# Altium PCB ie-track-kit-arduino-1.PcbDoc (part 3 of 3) (continued)
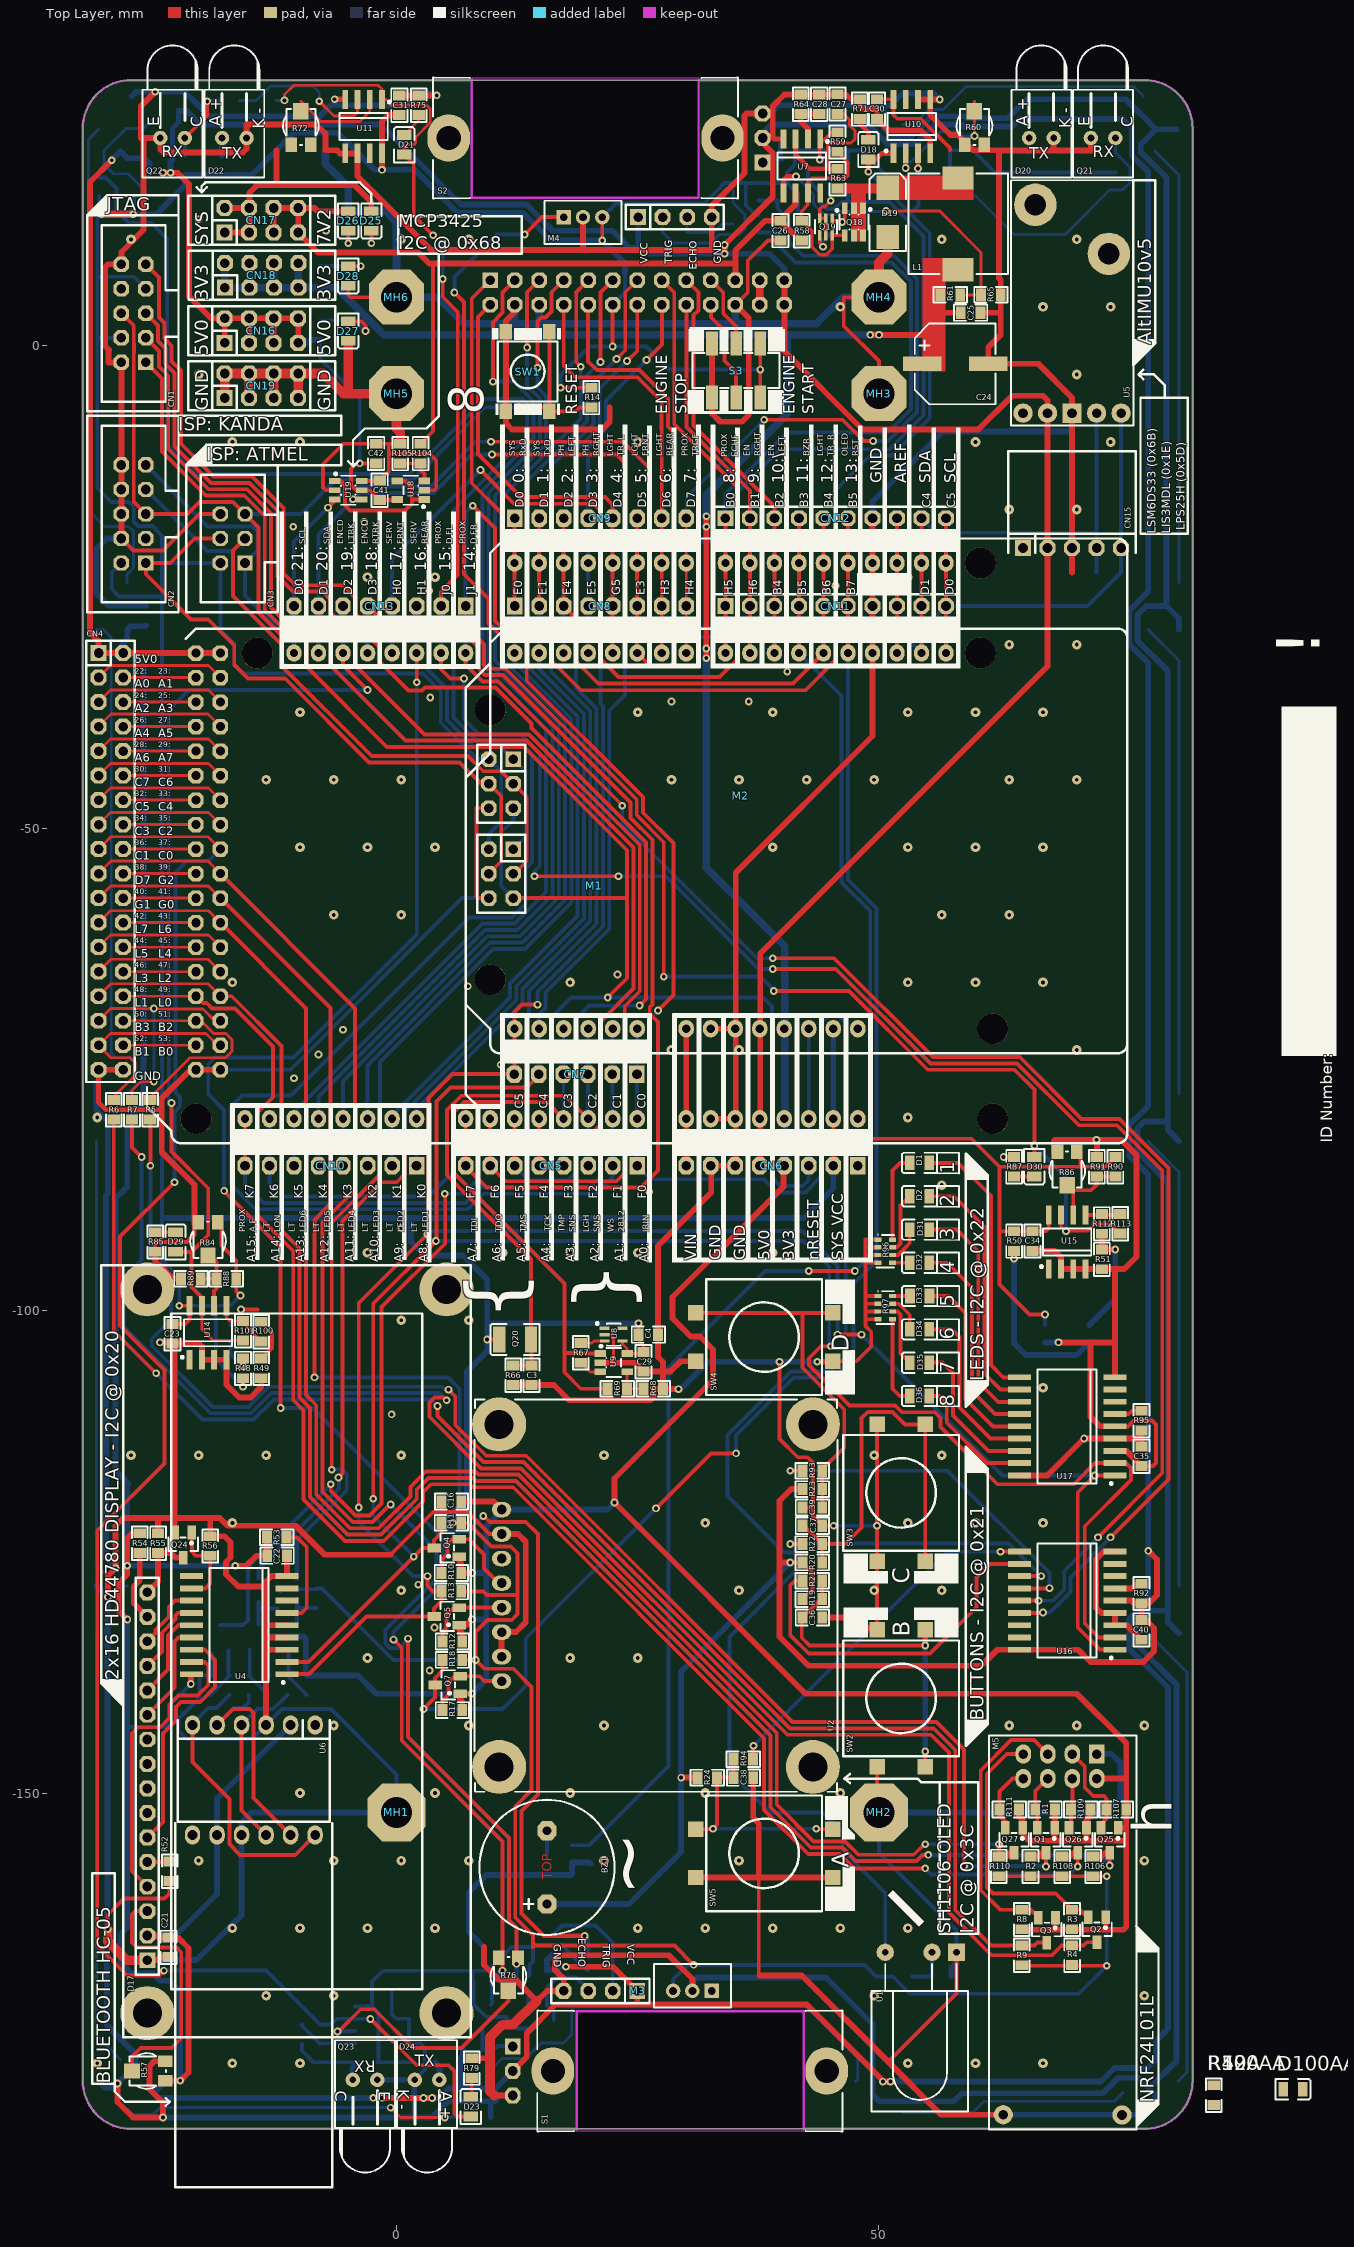
[diagram p0: Top Layer view]
## Nets (pads, with @x,y where several pads share a name; then routed paths per layer and width w, separated by ;. In a path a pad name is that pad's centre, name@x,y a point inside that pad or via, vN(x,y) a via of type N, cw(c..) or ccw(c..) an arc to the next point about the centre after c; other vN are vias at no path point) (continued)
PROX_REAR_A: Q23.2 R78.2 R114.1 | length 9
  Bottom Layer w0.4: R114.1@-9.8,-176.016 -9.8,-176.7 -8.6,-177.9 R78.2@-4.011,-177.9
  Bottom Layer w0.6: Q23.2@-4.519,-179.715 -4.519,-178.408 R78.2@-4.011,-177.9
RESET: CN1.6 CN2.5 CN3.5 CN6.3 M1.P3 M1.PROG5 M2.P3 M2.PROG5 Q10.3 R14.1 SW1.2 | length 333.5
  Top Layer w0.4: CN1.6@-28.5,3.33 -27.214,2.044 -27.214,0.188 -27.2,0.174 -27.2,-0.748 -27.214,-0.762 -27.214,-16.206 CN2.5@-25.96,-17.46 -21.66,-17.46 -20.4,-16.2 -16.955,-16.2 CN3.5@-15.695,-17.46 -14.3,-18.855 -14.3,-27.675 -12.075,-29.9 -10.129,-29.9 -9.329,-30.7 -9.329,-33.271 -1,-41.6 13.2,-41.6 23.9,-52.3 23.9,-57.27 ; v1(-6.8,-118) -6.8,-118.708 -4.254,-121.254 -2.808,-121.254 -1.546,-119.992 -1.546,-99.646 5.054,-93.046 5.054,-87.954 v1(5,-87.9) ; M1.PROG5@12.118,-57.27 23.9,-57.27 ; v1(12.7,-6.4) SW1.2@15.854,-6.4 ; SW1.2@15.85,1.425 15.854,1.421 SW1.2@15.854,-6.4 ; R14.1@20.2,-6.284 R14.1@20.2,-6.416 18.984,-6.416 18.575,-6.825 SW1.2@15.85,-6.825 15.854,-6.821 SW1.2@15.854,-6.4 ; v1(21.901,-67.563) 23.9,-65.563 23.9,-57.27
  Bottom Layer w0.4: Q10.3@-18.294,-132.6 -15.9,-132.6 -15.4,-132.1 -15.4,-126.6 v1(-6.8,-118) ; CN3.5@-15.695,-17.46 -9.86,-17.46 -6.354,-13.954 1.646,-13.954 9.2,-6.4 v1(12.7,-6.4) ; v1(5,-87.9) 6.94,-87.9 8.451,-86.389 8.451,-83.649 9.254,-82.846 14.904,-82.846 16.039,-81.711 16.039,-69.639 18.115,-67.563 v1(21.901,-67.563) 21.917,-67.546 37.977,-67.546 38.931,-68.5 38.931,-86.231 39.8,-87.1 42.1,-87.1 42.725,-86.475 CN6.3@42.725,-85 M1.P3@42.725,-80.13 M2.P3@42.725,-70.8 ; M1.PROG5@12.118,-57.27 10.864,-56.016 10.864,-50.444 12.118,-49.19 M2.PROG5@12.118,-47.94
RxD_HC05: R31.1 U6.3 | length 18.5
  Top Layer w0.4: U6.3@-16.051,-142.941 -16.051,-151.801 U6.3@-13.511,-154.341
  Bottom Layer w0.4: U6.3@-16.051,-142.941 -14.41,-141.3 -12.775,-141.3 R31.1@-11.3,-139.825
SCK_3V3: M5.5 Q3.2 R8.1 | length 28.4
  Top Layer w0.4: Q3.2@66.5,-162.9 65.684,-162.084 R8.1@64.8,-162.084 62.559,-162.084 60.546,-160.071 60.546,-147.654 63.694,-144.506 66.046,-144.506 M5.5@67.5,-145.96
SCK_5V: Q3.3 R6.2 R9.1 | length 157.1
  Top Layer w0.4: R6.2@-29.3,-80.216 -29.3,-102.1 v1(-24.9,-106.5) ; v1(4.262,-109.9) 4.262,-110.929 9.031,-115.698 13.184,-115.698 40.786,-143.3 55.675,-143.3 57.9,-145.525 57.9,-162.1 61.6,-165.8 R9.1@64.8,-165.8 66.1,-165.8 66.4,-165.5 Q3.3@67.4,-165.5
  Bottom Layer w0.4: v1(-24.9,-106.5) -20.1,-111.3 -14.8,-111.3 -12.7,-109.2 3.562,-109.2 v1(4.262,-109.9)
SCL_3V3: Q5.2 R12.1 U2.5 | length 9
  Top Layer w0.4: R12.1@4.784,-134.3 4.784,-133.316 5.2,-132.9 5.2,-131.5 5.9,-130.8 Q5.2@6.5,-130.8 6.52,-130.78 U2.5@10.9,-130.78
SDA_3V3: Q4.2 R10.1 U2.4 | length 11.9
  Top Layer w0.4: R10.1@4.684,-127.2 4.684,-125.831 5.3,-125.215 5.3,-124.1 5.7,-123.7 Q4.2@6.5,-123.7 7.5,-123.7 9.06,-125.26 9.06,-126.714 10.586,-128.24 U2.4@10.9,-128.24
STATE: C5.1 U6.1 | length 29.3
  Top Layer w0.4: U6.1@-21.131,-142.941 -21.131,-146.769 -17.305,-150.595 -17.305,-155.295 -16.2,-156.4 -10.49,-156.4 U6.1@-8.431,-154.341
  Bottom Layer w0.4: U6.1@-21.131,-142.941 -21.131,-142.831 -19.5,-141.2 -18.659,-141.2 C5.1@-17.3,-139.841
SYS_VCC: C4.1 C23.1 C29.2 C30.1 C31.1 C32.1 C34.1 CN1.4 CN1.7 CN2.2 CN3.2 CN6.2 CN17.1 CN17.2 CN17.3 CN17.4 CN20.12 D25.1 M1.P2 M1.PROG2 M2.P2 M2.PROG2 M3.1 M4.1 Q11.1 Q12.1 Q13.1 Q14.1 Q15.1 Q16.1 Q17.1 Q20.2 R2.2 R4.2 R9.2 R11.2 R13.2 R14.2 R16.1 R18.2 R26.1 R30.1 R34.2 R36.2 R38.2 R40.2 R42.2 R44.2 R46.2 R48.2 R49A.2 R50.2 R52A.2 R60.1 R62.1 R70.1 R71.1 R72.1 R73.1 R74.1 R75.1 R76.1 R77.1 R78.1 R79.1 R84.1 R85.1 R86.1 R87.1 R88.1 R90.1 R106.1 R108.1 R110.1 S3.2 S3.4 U8.4 U9.5 U10.8 U11.8 U12.8 U14.8 U15.8 | length 908
  Top Layer w0.3: U8.4@23.425,-103.15 23.425,-103.466 23.9,-103.941 U9.5@23.9,-104.45 25.434,-104.45 C29.2@25.6,-104.284 25.6,-103.566 25.084,-103.05 C4.1@25.084,-102.5 v1(25.084,-101.316)
  Top Layer w0.4: C23.1@-23.2,-101.384 -21.884,-101.384 -21.432,-100.932 U14.8@-21.432,-99.506 -22.494,-99.506 v1(-22.5,-99.5) ; R84.1@-18.13,-91.022 -18.13,-93.27 -16.606,-94.794 R88.1@-16.606,-96.7 -16.606,-97.994 v1(-16.15,-98.45) ; v1(-15.9,-107.9) R48.2@-15.9,-107.016 ; v1(5.846,-122) R11.2@6.716,-122 7.4,-122 9.846,-124.446 11.846,-124.446 12.554,-125.154 12.554,-129.4 ; R18.2@6.816,-136.2 v1(8.2,-136.2) ; R13.2@6.958,-128.9 6.937,-128.879 R13.2@6.716,-129.1 9,-129.1 9.394,-129.494 12.554,-129.494 12.554,-131.464 11.952,-132.066 9.434,-132.066 8.2,-133.3 v1(8.2,-136.2) ; v1(9.4,-103) Q20.2@10.65,-103 ; v1(17.016,-4.384) R14.2@20.2,-4.384 ; v1(21.333,10.89) M4.1@21.333,13.3 ; v1(22.4,-0.1) 22.4,3.88 22.42,3.9 CN20.12@22.42,4.23 ; v1(30.8,-167.8) 28.8,-165.8 14.3,-165.8 14.14,-165.96 14.14,-164.727 12.308,-162.895 12.308,-151.392 14,-149.7 14,-139 12.114,-137.114 9.114,-137.114 v1(8.2,-136.2) ; S3.2@37.7,-5.4 v1(37.7,-2.5) S3.4@37.7,0.2 ; CN6.2@45.265,-85 45.265,-82.1 ; M1.P2@45.265,-80.13 45.265,-82.1 ; C30.1@49.8,25.516 51.473,25.516 U10.8@51.495,25.494 51.495,23.893 51.888,23.5 54.3,23.5 57.355,20.445 57.355,20.233 ; R110.1@62.4,-158.616 v1(73.6,-158.616) ; R9.2@64.8,-167.832 64.868,-167.9 v1(73.6,-167.9) ; v1(67.2,-100.4) 65.6,-100.4 62.5,-97.3 62.5,-91.768 ; U15.8@67.595,-90.106 67.595,-91.5 67.311,-91.784 C34.1@65.9,-91.784 R50.2@64,-91.784 62.516,-91.784 62.5,-91.768 ; R86.1@70.897,-83.722 70.897,-85.1 ; R90.1@74.5,-84.084 73.484,-85.1 70.9,-85.1 ; 45.265,-82.1 45.365,-82.2 59.6,-82.2 62.5,-85.1 ; 62.5,-91.768 62.5,-85.1 ; 62.5,-85.1 70.897,-85.1 ; 70.897,-85.1 70.9,-85.1 ; 70.897,-85.1 70.897,-85.103 70.9,-85.1
  Top Layer w0.6: CN17.1@-17.8,11.705 CN17.3@-15.26,11.705 -15.24,11.725 -15.24,15.8 -14.44,16.6 -12.5,16.6 ; CN17.2@-17.8,14.245 CN17.4@-15.26,14.245 ; -12.44,20.233 -12.44,16.66 -12.5,16.6 ; D25.1@-2.6,13.916 -2.6,14.892 -4.308,16.6 -12.5,16.6 ; v1(-1.5,18.2) -1.495,18.205 U11.8@-1.495,19.906 -1.495,23.221 -0.832,23.884 C31.1@0.3,23.884
  Top Layer w0.8: v1(-30.6,13.6) v1(-27.271,13.6)
  Bottom Layer w0.4: R46.2@-30.8,15.5 R46.2@-30.8,15.384 -30.8,14.5 -30.6,14.3 v1(-30.6,13.6) -31,13.2 -31,7.25 ; CN2.2@-28.5,-22.54 -29.5,-23.54 -29.5,-25.25 -28.75,-26 -24.377,-26 ; CN1.4@-28.5,0.79 -30.96,0.79 -31,0.75 ; CN1.7@-25.96,5.87 -27.214,7.124 -30.874,7.124 -31,7.25 ; v1(-16.15,-98.45) -17.2,-99.5 -18.7,-99.5 ; v1(-15.9,-107.9) -18.7,-105.1 -18.7,-99.5 ; R26.1@-12.3,-128.825 -12.025,-129.1 -12.025,-128.879 R30.1@-8.3,-128.879 ; R30.1@-8.3,-128.809 -7.724,-128.809 -0.333,-136.2 v1(8.2,-136.2) ; U12.8@-4.294,-172.11 -2.526,-172.11 -2.516,-172.1 ; R77.1@1.9,-177.9 R78.1@-1.979,-177.9 -1.846,-177.767 -1.846,-172.77 -2.516,-172.1 ; M1.PROG2@9.578,-52.19 9.578,-50.622 10.864,-49.336 10.864,-44.146 M2.PROG2@9.578,-42.86 8.356,-42.86 4.592,-39.096 4.592,-35.853 2.739,-34 -15.9,-34 -16.8,-33.1 -16.8,-30.9 -18.235,-29.465 CN3.2@-18.235,-22.54 -24.282,-22.54 ; Q12.1@13.7,-174.4 12.5,-174.4 11.3,-173.2 9.3,-173.2 Q13.1@8,-171.9 8,-169.616 R36.2@7.884,-169.5 7.884,-168.427 7.9,-168.411 ; R38.2@13.7,-168.984 13.8,-168.884 13.8,-167.8 14.14,-167.46 14.14,-165.96 ; v1(17.016,-4.384) 17.016,-3.076 19.992,-0.1 v1(22.4,-0.1) 25.9,-0.1 28.3,-2.5 v1(37.7,-2.5) ; Q11.1@19.834,-168.3 19.684,-168.3 R34.2@18.1,-166.716 17.138,-165.754 14.346,-165.754 14.14,-165.96 ; M4.1@21.333,13.3 22.733,14.7 31.9,14.7 33.746,16.546 33.746,16.575 34.012,16.841 37.496,16.841 Q14.1@37.5,16.837 40.463,16.837 ; CN20.12@22.42,4.23 23.69,5.5 23.69,7.483 ; M3.1@28.667,-170.5 28.667,-169.333 30.2,-167.8 v1(30.8,-167.8) 48.5,-167.8 49.7,-169 R16.1@51.434,-169 53.234,-170.8 70.7,-170.8 v1(73.6,-167.9) v1(73.6,-158.616) ; 36.2,16.8 36.2,14.545 37.245,13.5 Q16.1@37.5,13.5 ; R44.2@41.616,11.6 41.616,15.684 40.463,16.837 ; 45.818,20.182 45.8,20.2 ; R42.2@46.8,18.416 46.8,20 46.6,20.2 ; 67.2,-101.5 v1(67.2,-100.4) ; R70.1@74.5,17.944 R62.1@65.56,17.944 62.031,17.944 59.742,20.233 57.355,20.233 57.355,17.155 56.7,16.5 51.9,16.5 48.2,20.2 46.6,20.2 ; -31,0.75 -31,7.25 ; -31,0.75 -31,-14.75 -29.55,-16.2 -27.7,-16.2 -27.214,-16.686 -27.214,-18.286 -26.786,-18.714 -25.286,-18.714 -24.282,-19.718 -24.282,-22.54 ; -24.282,-22.54 -24.282,-94.773 -22.5,-96.556 v1(-22.5,-99.5) -21.8,-99.5 -18.7,-99.5 ; -2.516,-172.1 C32.1@-2.516,-170.4 -2.516,-169.516 -1.411,-168.411 7.9,-168.411 ; 7.9,-168.411 9.489,-168.411 11.94,-165.96 14.14,-165.96 ; 40.463,16.837 40.463,17.921 41.3,18.758 41.3,19.8 41.7,20.2 Q15.1@42.65,20.2 45.8,20.2 ; 45.8,20.2 46.6,20.2
  Bottom Layer w0.6: Q17.1@-27.271,15.2 v1(-27.271,13.6) -24.9,13.6 -21.9,16.6 R74.1@-21.9,17.668 R73.1@-18.07,17.668 -15.005,17.668 -12.44,20.233 -10.627,22.046 -6.113,22.046 -2.267,18.2 v1(-1.5,18.2) 1.893,18.2 6.328,13.765 13.127,13.765 16.003,10.89 v1(21.333,10.89) 23.69,8.532 23.69,7.483 ; -24.1,-90.4 1.5,-90.4 ; v1(5.846,-122) 7.296,-120.55 7.296,-106.304 9.4,-104.2 v1(9.4,-103) 9.4,-101.3 ; v1(25.084,-101.316) 9.416,-101.316 9.4,-101.3 ; M2.P2@45.265,-70.8 M1.P2@45.265,-80.13 CN6.2@45.265,-85 45.265,-87.355 42.22,-90.4 1.5,-90.4 ; 1.5,-90.4 1.5,-92.9 2.9,-94.3 6.9,-94.3 9.4,-96.8 9.4,-101.3
TxD_HC05: R27.1 U6.2 | length 23.9
  Top Layer w0.4: U6.2@-18.591,-142.941 -16.95,-141.3 -15.2,-141.3 -14.797,-141.703 -14.797,-150.515 U6.2@-10.971,-154.341
  Bottom Layer w0.4: U6.2@-18.591,-142.941 -16.85,-141.2 -15.9,-141.2 -15.3,-140.6 R27.1@-15.3,-139.841
VMOT: CN20.23 CN20.24 | length 5.1
  Top Layer w0.8: CN20.24@37.66,4.23 CN20.23@37.66,6.77
  Bottom Layer w0.8: CN20.24@37.66,4.23 CN20.23@37.66,6.77
pads on no net: CN1.8 CN2.3 CN6.1 CN15.1 D15.2 D17.7 D17.8 D17.9 D17.10 D17.M1 M1.1 M1.P1 M2.1 M2.P1 S1.M S2.M U2.0 U2.3 U4.7 U4.8 U4.10 U5.4 U5.M U6.6 U7.8 U8.1 U8.5 U10.7 U11.7 U12.1 U14.1 U15.1 U16.7 U16.16 U17.7 U17.8
copper on no net: | length 6.8
  Top Layer w0.3: 0.8,21.816 2.3,23.316 2.3,23.884 ; 7.7,-181.468 7.8,-181.368
  Top Layer w0.4: 7.8,-181.368 7.8,-179.516 ; 64,-86.116 66.1,-86.116

## Polygon pours and split planes (outlines as drawn)
GND on Bottom Layer "Bottom Layer-GND" (solid, remove dead copper, shelved, pour order 0): -33.1,-179.5 ccw(c-28.1,-179.5) -28.1,-184.5 18.1,-184.5 18.1,-172.3 41.6,-172.3 41.6,-184.5 76.9,-184.5 ccw(c76.9,-179.5) 81.9,-179.5 81.9,22.8 ccw(c76.9,22.8) 76.9,27.8 30.7,27.8 30.7,15.6 7.2,15.6 7.2,27.8 -28.1,27.8 ccw(c-28.1,22.8) -33.1,22.8
GND on Top Layer "Top Layer-GND" (solid, remove dead copper, shelved, pour order 1): -32.5,-179.8 ccw(c-27.5,-179.8) -27.5,-184.8 18.7,-184.8 18.7,-172.6 42.2,-172.6 42.2,-184.8 77.5,-184.8 ccw(c77.5,-179.8) 82.5,-179.8 82.5,22.5 ccw(c77.5,22.5) 77.5,27.5 31.3,27.5 31.3,15.3 7.8,15.3 7.8,27.5 -27.5,27.5 ccw(c-27.5,22.5) -32.5,22.5

## Keep-outs
Keep-Out Layer:
  lines w0.254: 82.5,22.5 82.5,-179.8 cw(c77.5,-179.8) 77.5,-184.8 42.2,-184.8 42.2,-172.6 18.7,-172.6 18.7,-184.8 -27.5,-184.8 cw(c-27.5,-179.8) -32.5,-179.8 -32.5,22.5 cw(c-27.5,22.5) -27.5,27.5 7.8,27.5 7.8,15.3 31.3,15.3 31.3,27.5 77.5,27.5 cw(c77.5,22.5) 82.5,22.5

## Other copper
Top Layer:
  rectangle net 3V3: 54.5,-2.7 56.9,9.065
  rectangle net NetD19_2: 50.375,15.1 59.8,17.589
  rectangle net NetD19_2: 47.093,10.8 48.65,16.45
  pour cut-out: 48.864,-92.1 48.864,-101.4 50.584,-101.4 50.6,-101.384 50.6,-92.1
  text "TOP" at 16.1,-159 h1 r90
Bottom Layer:
  text "IE-TRACK-KIT-ARDUINO-1, V1.1  -  BOTTOM" at -47.8,-127.6 h1 r270

## Silkscreen, mask and mechanical layers (free items; w line width, h text height)
Top Overlay:
  drawing of 276 lines, arcs and shapes, not listed
  text "E" at -24.185,22.7 h2 r90
  text "A +" at -17.785,22.7 h2 r90
  text "A +" at 65.845,22.7 h2 r90
  text "E" at 72.245,22.7 h2 r90
  text "C" at -19.7,22.625 h2 r90
  text "C" at 76.73,22.625 h2 r90
  text "K -" at 70.3,22.5 h2 r90
  text "K -" at -13.3,22.45 h2 r90
  text "RX" at -24.3,19.1 h2
  text "RX" at 72.13,19.1 h2
  text "TX" at -18.07,18.96 h2
  text "TX" at 65.56,18.96 h2
  text "JTAG" at -30,13.5 h2.4
  text "SYS" at -19.06,10.37 h2.3 r90
  text "7V2" at -6.36,10.37 h2.4 r90
  text "MCP3425 / I2C @ 0x68" at 0.2,9.5 h2.3
  text "3V3" at -19.045,4.655 h2.4 r90
  text "3V3" at -6.345,4.655 h2.4 r90
  text "AltIMU10v5" at 78.66,0.1 h2.4 r90
  text "5V0" at -19.06,-1.06 h2.4 r90
  text "5V0" at -6.36,-1.06 h2.4 r90
  text "GND" at -19.06,-6.775 h2.3 r90
  text "GND" at -6.36,-6.775 h2.3 r90
  text "ENGINE / STOP" at 30.48,-7.1 h2 r90
  text "ENGINE / START" at 43.68,-7.1 h2 r90
  text "8" at 10.26,-7.2 h6.2 r90
  text "RESET" at 19.16,-7.2 h2 r90
  text "ISP: KANDA" at -22.585,-9.3 h2.4
  text "SYS / RxD" at 13.646,-11.491 h1.1 r90
  text "SYS / TxD" at 16.186,-11.491 h1.1 r90
  text "PH / LEFT" at 18.726,-11.491 h1.1 r90
  text "PH / RGHT" at 21.266,-11.491 h1.1 r90
  text "LGHT / TR  L" at 23.806,-11.491 h1.1 r90
  text "LGHT / FRNT" at 26.346,-11.491 h1.1 r90
  text "LGHT / REAR" at 28.886,-11.491 h1.1 r90
  text "PROX / TRGF" at 31.549,-11.491 h1.1 r90
  text "EN / RGHT" at 37.962,-11.491 h1.1 r90
  text "EN / LEFT" at 40.502,-11.491 h1.1 r90
  text "BZR" at 43.042,-11.491 h1.1 r90
  text "LGHT / TR  R" at 45.582,-11.491 h1.1 r90
  text "OLED / RST" at 48.122,-11.491 h1.1 r90
  text "PROX / ECHF" at 35.613,-11.6 h1.1 r90
  text "ISP: ATMEL" at -19.7,-12.4 h2.4
  text "0:" at 13.642,-14.3 h2 r90
  text "1:" at 16.182,-14.3 h2 r90
  text "2:" at 18.722,-14.3 h2 r90
  text "3:" at 21.262,-14.3 h2 r90
  text "4:" at 23.802,-14.3 h2 r90
  text "5:" at 26.342,-14.3 h2 r90
  text "6:" at 28.882,-14.3 h2 r90
  text "7:" at 31.422,-14.3 h2 r90
  text "8:" at 35.486,-14.3 h2 r90
  text "9:" at 38.026,-14.3 h2 r90
  text "10:\" at 40.566,-14.3 h2 r90
  text "11:" at 43.106,-14.3 h2 r90
  text "12:" at 45.646,-14.3 h2 r90
  text "13:" at 48.186,-14.3 h2 r90
  text "GND" at 50.726,-14.3 h2 r90
  text "AREF" at 53.266,-14.3 h2 r90
  text "SDA" at 55.806,-14.3 h2 r90
  text "SCL" at 58.346,-14.3 h2 r90
  text "D0" at 13.5,-16.8 h1.5 r90
  text "D1" at 16.04,-16.8 h1.5 r90
  text "D2" at 18.58,-16.8 h1.5 r90
  text "D3" at 21.12,-16.8 h1.5 r90
  text "D4" at 23.66,-16.8 h1.5 r90
  text "D5" at 26.2,-16.8 h1.5 r90
  text "D6" at 28.74,-16.8 h1.5 r90
  text "D7" at 31.28,-16.8 h1.5 r90
  text "B0" at 35.344,-16.8 h1.5 r90
  text "B1" at 37.884,-16.8 h1.5 r90
  text "B2" at 40.424,-16.8 h1.5 r90
  text "B3" at 42.964,-16.8 h1.5 r90
  text "B4" at 45.504,-16.8 h1.5 r90
  text "B5" at 48.044,-16.8 h1.5 r90
  text "C4" at 55.664,-16.8 h1.5 r90
  text "C5" at 58.204,-16.8 h1.5 r90
  text "LSM6DS33 (0x6B) / LIS3MDL (0x1E) /  LPS25H (0x5D)" at 82,-19.5 h1.5 r90
  text "SCL" at -9.214,-20.591 h1.1 r90
  text "SDA" at -6.674,-20.591 h1.1 r90
  text "ENCD / LTRK" at -4.134,-20.591 h1.1 r90
  text "ENCD / RTRK" at -1.594,-20.591 h1.1 r90
  text "SERV / FRNT" at 0.946,-20.591 h1.1 r90
  text "SERV / REAR" at 3.486,-20.591 h1.1 r90
  text "PROX / D FL" at 6.026,-20.591 h1.1 r90
  text "PROX / D FR" at 8.566,-20.591 h1.1 r90
  text "21:" at -9.218,-23.4 h2 r90
  text "20:" at -6.678,-23.4 h2 r90
  text "19:" at -4.138,-23.4 h2 r90
  text "18:" at -1.598,-23.4 h2 r90
  text "17:" at 0.942,-23.4 h2 r90
  text "16:" at 3.482,-23.4 h2 r90
  text "15:" at 6.022,-23.4 h2 r90
  text "14:" at 8.562,-23.4 h2 r90
  text "D0" at -9.36,-25.9 h1.5 r90
  text "D1" at -6.82,-25.9 h1.5 r90
  text "D2" at -4.28,-25.9 h1.5 r90
  text "D3" at -1.74,-25.9 h1.5 r90
  text "H0" at 0.8,-25.9 h1.5 r90
  text "H1" at 3.34,-25.9 h1.5 r90
  text "J0" at 5.88,-25.9 h1.5 r90
  text "J1" at 8.42,-25.9 h1.5 r90
  text "E0" at 13.335,-25.9 h1.5 r90
  text "E1" at 15.875,-25.9 h1.5 r90
  text "E4" at 18.415,-25.9 h1.5 r90
  text "E5" at 20.955,-25.9 h1.5 r90
  text "G5" at 23.495,-25.9 h1.5 r90
  text "E3" at 26.035,-25.9 h1.5 r90
  text "H3" at 28.575,-25.9 h1.5 r90
  text "H4" at 31.115,-25.9 h1.5 r90
  text "H5" at 35.179,-25.9 h1.5 r90
  text "H6" at 37.719,-25.9 h1.5 r90
  text "B4" at 40.259,-25.9 h1.5 r90
  text "B5" at 42.799,-25.9 h1.5 r90
  text "B6" at 45.339,-25.9 h1.5 r90
  text "B7" at 47.879,-25.9 h1.5 r90
  text "D1" at 55.499,-25.9 h1.5 r90
  text "D0" at 58.039,-25.9 h1.5 r90
  text "!" at 97.4,-29.4 h9 r90
  text "5V0" at -27.124,-33.26 h1.5
  text "22:" at -27.124,-34.2 h1
  text "23:" at -24.7,-34.2 h1
  text "A0" at -27.124,-35.8 h1.5
  text "A1" at -24.7,-35.8 h1.5
  text "24:" at -27.124,-36.74 h1
  text "25:" at -24.7,-36.74 h1
  text "A2" at -27.124,-38.34 h1.5
  text "A3" at -24.7,-38.34 h1.5
  text "26:" at -27.124,-39.28 h1
  text "27:" at -24.7,-39.28 h1
  text "A4" at -27.124,-40.88 h1.5
  text "A5" at -24.7,-40.88 h1.5
  text "28:" at -27.124,-41.82 h1
  text "29:" at -24.7,-41.82 h1
  text "A6" at -27.124,-43.42 h1.5
  text "A7" at -24.7,-43.42 h1.5
  text "30:" at -27.124,-44.36 h1
  text "31:" at -24.7,-44.36 h1
  text "C7" at -27.124,-45.96 h1.5
  text "C6" at -24.7,-45.96 h1.5
  text "32:" at -27.124,-46.9 h1
  text "33:" at -24.7,-46.9 h1
  text "C5" at -27.124,-48.5 h1.5
  text "C4" at -24.7,-48.5 h1.5
  text "34:" at -27.124,-49.44 h1
  text "35:" at -24.7,-49.44 h1
  text "C3" at -27.124,-51.04 h1.5
  text "C2" at -24.7,-51.04 h1.5
  text "36:" at -27.124,-51.98 h1
  text "37:" at -24.7,-51.98 h1
  text "C1" at -27.124,-53.58 h1.5
  text "C0" at -24.7,-53.58 h1.5
  text "38:" at -27.124,-54.52 h1
  text "39:" at -24.7,-54.52 h1
  text "D7" at -27.124,-56.12 h1.5
  text "G2" at -24.7,-56.12 h1.5
  text "40:" at -27.124,-57.06 h1
  text "41:" at -24.7,-57.06 h1
  text "G1" at -27.124,-58.66 h1.5
  text "G0" at -24.7,-58.66 h1.5
  text "42:" at -27.124,-59.6 h1
  text "43:" at -24.7,-59.6 h1
  text "L7" at -27.124,-61.2 h1.5
  text "L6" at -24.7,-61.2 h1.5
  text "44:" at -27.124,-62.14 h1
  text "45:" at -24.7,-62.14 h1
  text "L5" at -27.124,-63.74 h1.5
  text "L4" at -24.7,-63.74 h1.5
  text "46:" at -27.124,-64.68 h1
  text "47:" at -24.7,-64.68 h1
  text "L3" at -27.124,-66.28 h1.5
  text "L2" at -24.7,-66.28 h1.5
  text "48:" at -27.124,-67.22 h1
  text "49:" at -24.7,-67.22 h1
  text "L1" at -27.124,-68.82 h1.5
  text "L0" at -24.7,-68.82 h1.5
  text "50:" at -27.124,-69.76 h1
  text "51:" at -24.7,-69.76 h1
  text "B3" at -27.124,-71.36 h1.5
  text "B2" at -24.7,-71.36 h1.5
  text "52:" at -27.124,-72.3 h1
  text "53:" at -24.7,-72.3 h1
  text "B1" at -27.124,-73.9 h1.5
  text "B0" at -24.7,-73.9 h1.5
  text "GND" at -27.124,-76.44 h1.5
  text "C5" at 13.46,-79.1 h1.5 r90
  text "C4" at 16,-79.1 h1.5 r90
  text "C3" at 18.54,-79.1 h1.5 r90
  text "C2" at 21.08,-79.1 h1.5 r90
  text "C1" at 23.62,-79.1 h1.5 r90
  text "C0" at 26.16,-79.1 h1.5 r90
  text "ID Number:" at 97.4,-82.6 h2 r90
  text "1" at 58.3,-85.8 h2.5 r90
  text "K7" at -14.455,-88.4 h1.5 r90
  text "K6" at -11.915,-88.4 h1.5 r90
  text "K5" at -9.375,-88.4 h1.5 r90
  text "K4" at -6.835,-88.4 h1.5 r90
  text "K3" at -4.295,-88.4 h1.5 r90
  text "K2" at -1.755,-88.4 h1.5 r90
  text "K1" at 0.784,-88.4 h1.5 r90
  text "K0" at 3.324,-88.4 h1.5 r90
  text "F7" at 8.405,-88.4 h1.5 r90
  text "F6" at 10.945,-88.4 h1.5 r90
  text "F5" at 13.485,-88.4 h1.5 r90
  text "F4" at 16.025,-88.4 h1.5 r90
  text "F3" at 18.565,-88.4 h1.5 r90
  text "F2" at 21.105,-88.4 h1.5 r90
  text "F1" at 23.645,-88.4 h1.5 r90
  text "F0" at 26.185,-88.4 h1.5 r90
  text "2" at 58.3,-89.25 h2.5 r90
  text "TCK" at 16.237,-91.8 h1.1 r90
  text "PROX / A F" at -14.298,-91.9 h1.1 r90
  text "LT / LON" at -11.758,-91.9 h1.1 r90
  text "LT / LED6" at -9.163,-91.9 h1.1 r90
  text "LT / LED5" at -6.623,-91.9 h1.1 r90
  text "LT / LED4" at -4.083,-91.9 h1.1 r90
  text "LT / LED3" at -1.543,-91.9 h1.1 r90
  text "LT / LED2" at 0.997,-91.9 h1.1 r90
  text "LT / LED1" at 3.537,-91.9 h1.1 r90
  text "TDI" at 8.617,-91.9 h1.1 r90
  text "TDO" at 11.157,-91.9 h1.1 r90
  text "TMS" at 13.697,-91.9 h1.1 r90
  text "TMP / SNS" at 18.777,-91.9 h1.1 r90
  text "LGH / SNS" at 21.317,-91.9 h1.1 r90
  text "WS / 2812" at 23.857,-91.9 h1.1 r90
  text "IRIN" at 26.397,-91.9 h1.1 r90
  text "3" at 58.3,-92.716 h2.5 r90
  text "VIN" at 31.477,-94.778 h2 r90
  text "GND" at 34.017,-94.778 h2 r90
  text "GND" at 36.557,-94.778 h2 r90
  text "5V0" at 39.097,-94.778 h2 r90
  text "3V3" at 41.637,-94.778 h2 r90
  text "nRESET" at 44.177,-94.778 h2 r90
  text "SYS VCC" at 46.717,-94.778 h2 r90
  text "A15:" at -14.298,-95 h1.5 r90
  text "A14:" at -11.758,-95 h1.5 r90
  text "A13:" at -9.218,-95 h1.5 r90
  text "A12:" at -6.678,-95 h1.5 r90
  text "A11:" at -4.138,-95 h1.5 r90
  text "A10:" at -1.598,-95 h1.5 r90
  text "A9:" at 0.942,-95 h1.5 r90
  text "A8:" at 3.482,-95 h1.5 r90
  text "A7:" at 8.562,-95 h1.5 r90
  text "A6:" at 11.102,-95 h1.5 r90
  text "A5:" at 13.642,-95 h1.5 r90
  text "A4:" at 16.182,-95 h1.5 r90
  text "A3:" at 18.722,-95 h1.5 r90
  text "A2:" at 21.262,-95 h1.5 r90
  text "A1:" at 23.802,-95 h1.5 r90
  text "A0:" at 26.342,-95 h1.5 r90
  text "4" at 58.3,-96.15 h2.5 r90
  text "5" at 58.316,-99.6 h2.5 r90
  text "}" at 26.108,-100.1 h10 r90
  text "{" at 14.9,-101 h10 r90
  text "6" at 58.3,-103.05 h2.5 r90
  text "D" at 47.5,-104.25 h3 r90
  text "7" at 58.3,-106.5 h2.5 r90
  text "LEDS - I2C @ 0x22" at 61.3,-107.34 h2.4 r90
  text "8" at 58.3,-109.95 h2.5 r90
  text "C" at 53.8,-128.3 h3 r90
  text "B" at 53.8,-133.79 h3 r90
  text "2x16 HD44780 DISPLAY - I2C @ 0x20" at -28.29,-138.3 h2.4 r90
  text "BUTTONS - I2C @ 0x21" at 61.3,-142.5 h2.4 r90
  text "h" at 81.7,-154.2 h7 r90
  text "A" at 47.5,-157.75 h3 r90
  text "I" at 50.7,-158.2 h10 r225
  text "~" at 28.5,-160.7 h10 r90
  text "SH1106 OLED / I2C @ 0x3C" at 60.3,-164.6 h2.4 r90
  text "RX" at -2.149,-177.315 h2 r180
  text "TX" at 1.9,-178.7 h2
  text "BLUETOOTH HC-05" at -29.2,-180.1 h2.4 r90
  text "K -" at -0.3,-180.7 h2 r270
  text "C" at -6.749,-180.84 h2 r270
  text "E" at -2.264,-180.915 h2 r270
  text "A +" at 4.162,-180.915 h2 r270
  text "NRF24L01L" at 78.964,-182.1 h2.4 r90
Bottom Overlay:
  lines w0.2: 42.3,-150.5 42.3,-164.7 30.6,-164.7 30.6,-89.6 42.3,-89.6 42.3,-108.7 ; 42.3,-144.2 42.3,-114.8 ; 48.2,-128.75 48.2,-99.7
  lines w0.254: 42.3,-164.7 42.3,-164.7
  lines w0.4: 43,-164.7 43,-150.8 ; 43,-144 43,-115.2 ; 43,-108.5 43,-89.6 ; 57.5,-164.7 57.5,-89.6
  text "E" at 69.2,-43.3 h11 r270
  text "https://goo.gl/vLhepj" at 69.2,-71.2 h2 r270
  text "x" at 71.7,-71.2 h15 r270
  text "F" at 43.5,-99.4 h11 r270
  text "v1.1 - 20180820" at 58.1,-103.8 h1 r270
  text "y" at 33.5,-108.4 h7 r270
  text "\" at 32.2,-119.4 h11 r270
  text "z" at 32.2,-127.3 h13 r270
  text "Pawel Poryzala, Marcin Kociolek" at 46.3,-128.5 h1.9 r270
  text "http://mipsa.p.lodz.pl" at 49.5,-128.5 h1.9 r270
  text "http://eletel.p.lodz.pl" at 51.5,-128.5 h1.9 r270
  text "Lodz University of Technology" at 53.5,-128.5 h1.9 r270
  text "Institute of Electronics" at 55.5,-128.5 h1.9 r270
  text "tme.eu" at 31.2,-138.2 h2 r270
  text "IE PL" at 43.7,-138.214 h1.9 r270
  text "t" at 33.4,-139.7 h12 r270
  text "e" at 45.3,-141.7 h22 r270
  text "k" at 46,-163 h12.5 r270
  text "Project developed  by:" at 55.5,-163.7 h1.9 r270
  text "IE-TRACK-KIT-ARDUINO-1" at 58.5,-163.7 h2 r270
  text "SKN MIPSA" at 44.5,-164.15 h1.9 r270
  text "www.bazeko.pl" at 31.2,-164.2 h2 r270
  text "v" at 33.7,-164.2 h10 r270
  text "Supported by:" at 40.5,-164.3 h1.8 r270
Mechanical 1:
  lines w0.256: -10,-9.07 -10,14.2 ; 60.427,-12.57 60.427,10.7
Mechanical 3:
  lines w0.2: -36.8,0.609 -1.5,0.509 ; -1,0 1,0 ; 0,-1 0,1 ; 6.5,-6 43.5,-6 43.5,27 6.5,27 6.5,-6 ; 8.5,-10 41.5,-10 41.5,27 8.5,27 8.5,-10
  lines w0.254: -19.5,-162.3 -19.5,7.8 ; -5.1,-162.8 55.1,-162.8 ; -5,7.3 55.1,7.3 ; 25,-179.8 25,22.5 ; 69.5,-162.8 69.5,7.3 ; -32.5,-179.8 ccw(c-27.5,-179.8) -27.5,-184.8 ; -32.5,-179.8 ccw(c-27.5,-179.8) -27.5,-184.8 ; -32.5,-179.8 -32.5,22.5 ; -32.5,-179.8 -32.5,22.5 ; -32.5,22.5 cw(c-27.5,22.5) -27.5,27.5 77.5,27.5 cw(c77.5,22.5) 82.5,22.5 ; -27.5,-184.8 77.5,-184.8 ; -27.5,-184.8 77.5,-184.8 ; 77.5,-184.8 ccw(c77.5,-179.8) 82.5,-179.8 ; 77.5,-184.8 ccw(c77.5,-179.8) 82.5,-179.8 ; 82.5,-179.8 82.5,22.5 ; 82.5,-179.8 82.5,22.5
  lines w0.256: -10,-196.7 -10,-9.07 -10,14.2 ; 60,-11.07 60,12.2 ; 60.015,-193.008 60.427,-12.57
  text "poczatek plytki POWER" at 13,5 h1.52
  text "os przednia" at -31.6,1.1 h1.52
  text "linia otworow w gasiennict" at -20.5,-95 h1.52 r90
  text "linia otworow w gasiennict" at 68.5,-103.6 h1.52 r90
  text "koniec plytki POWER" at 5.38,-162 h1.52

## Dimensions
77.5,-184.8 to 77.5,27.5 on Mechanical 3
-32.5,-179.8 to 82.5,-179.8 on Mechanical 3

## Text inside footprints (layer, text, board x,y; h text height)
M2: Mechanical 69 "D:/SmartProjects/Snc/a4_bn_logo2.bmp" at 75.745,-73.404 h0.02
M3: Top Overlay "TRIG" at 21.143,-165.674 h1.3 r270; Top Overlay "VCC" at 23.683,-165.674 h1.3 r270; Top Overlay "GND" at 16.063,-165.674 h1.3 r270; Top Overlay "ECHO" at 18.603,-165.039 h1.3 r270
M4: Top Overlay "TRIG" at 28.858,8.474 h1.3 r90; Top Overlay "VCC" at 26.318,8.474 h1.3 r90; Top Overlay "GND" at 33.938,8.474 h1.3 r90; Top Overlay "ECHO" at 31.398,7.839 h1.3 r90
S1: Bottom Overlay "SIG" at 7.25,-175.01 h1.3 r180; Bottom Overlay "VCC" at 7.25,-177.55 h1.3 r180; Bottom Overlay "GND" at 7.25,-180.05 h1.3 r180
S2: Bottom Overlay "GND" at 42.75,22.75 h1.3; Bottom Overlay "VCC" at 42.75,20.25 h1.3; Bottom Overlay "SIG" at 42.75,17.71 h1.3